# Altium PCB MB1166.PcbDoc (part 37 of 39)
Units mil, origin at the board's own origin, x right, y up, seen from the top; angles counter-clockwise.
Board outline 5000.99 x 2352.96 mil, 4 copper layers (TOP, L2_GND, L3_VCC, BOTTOM), stack 25.9 mil thick; 35 components, 24 nets, 166 pads, 143 vias.
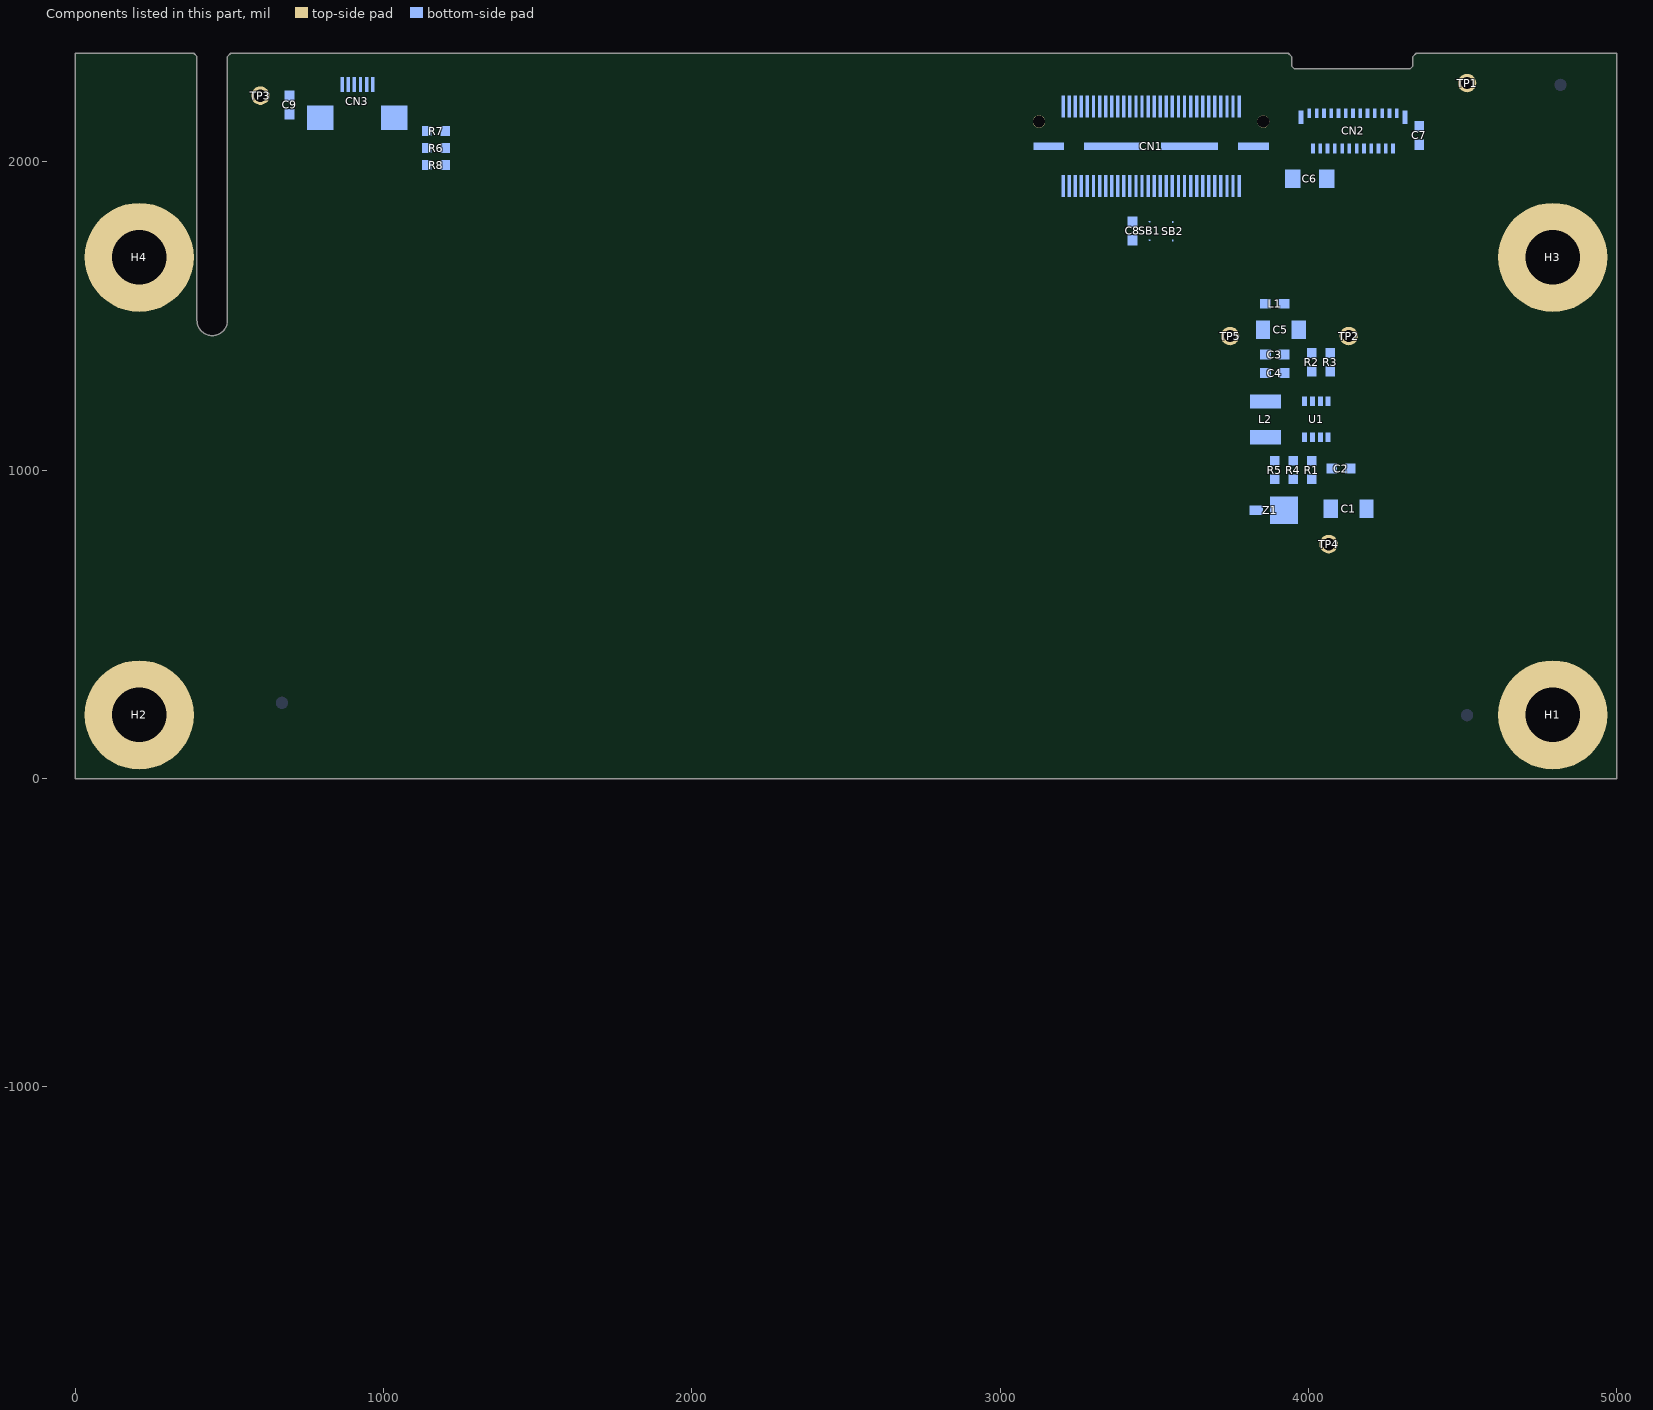
[diagram p39: the components of this part, seen from the top]

## Via types
v1: diameter 24, hole 12, TOP to BOTTOM, 143 vias

## Nets (pads, with @x,y where several pads share a name; then routed paths per layer and width w, separated by ;. In a path a pad name is that pad's centre, name@x,y a point inside that pad or via, vN(x,y) a via of type N, cw(c..) or ccw(c..) an arc to the next point about the centre after c; other vN are vias at no path point) (continued)
copper on no net: (continued)
  BOTTOM w3: 539.59,-1235.2 539.69,-1235.02 ; 539.59,-1235.2 539.69,-1235.02 ; 539.61,-1150.15 539.68,-1150.22 ; 539.61,-1150.15 539.68,-1150.22 ; 539.69,-1235.02 539.73,-1234.93 ; 539.69,-1235.02 539.73,-1234.93 ; 539.68,-1150.22 539.75,-1150.3 ; 539.68,-1150.22 539.75,-1150.3 ; 539.73,-1234.93 539.78,-1234.85 ; 539.73,-1234.93 539.78,-1234.85 ; 539.75,-1150.3 539.82,-1150.37 ; 539.75,-1150.3 539.82,-1150.37 ; 539.78,-1234.85 539.93,-1234.58 ; 539.78,-1234.85 539.93,-1234.58 ; 539.82,-1150.37 539.88,-1150.44 ; 539.82,-1150.37 539.88,-1150.44 ; 539.88,-1150.44 539.95,-1150.52 ; 539.88,-1150.44 539.95,-1150.52 ; 539.93,-1234.58 539.98,-1234.5 ; 539.93,-1234.58 539.98,-1234.5 ; 539.95,-1150.52 540.09,-1150.66 ; 539.95,-1150.52 540.09,-1150.66 ; 539.98,-1234.5 540.02,-1234.41 ; 539.98,-1234.5 540.02,-1234.41 ; 540.02,-1234.41 540.17,-1234.14 ; 540.02,-1234.41 540.17,-1234.14 ; 540.09,-1150.66 540.16,-1150.74 ; 540.09,-1150.66 540.16,-1150.74 ; 540.17,-1234.14 540.22,-1234.06 ; 540.17,-1234.14 540.22,-1234.06 ; 540.16,-1150.74 540.22,-1150.81 ; 540.16,-1150.74 540.22,-1150.81 ; 540.22,-1234.06 540.26,-1233.97 ; 540.22,-1234.06 540.26,-1233.97 ; 540.22,-1150.81 540.29,-1150.88 ; 540.22,-1150.81 540.29,-1150.88 ; 540.26,-1233.97 540.36,-1233.79 ; 540.26,-1233.97 540.36,-1233.79 ; 540.29,-1150.88 540.36,-1150.96 ; 540.29,-1150.88 540.36,-1150.96 ; 540.36,-1233.79 540.41,-1233.71 ; 540.36,-1233.79 540.41,-1233.71 ; 540.36,-1150.96 540.5,-1151.1 ; 540.36,-1150.96 540.5,-1151.1 ; 540.41,-1233.71 540.46,-1233.62 ; 540.41,-1233.71 540.46,-1233.62 ; 540.46,-1233.62 540.5,-1233.53 ; 540.46,-1233.62 540.5,-1233.53 ; 540.5,-1233.53 540.55,-1233.44 ; 540.5,-1233.53 540.55,-1233.44 ; 540.5,-1151.1 540.56,-1151.18 ; 540.5,-1151.1 540.56,-1151.18 ; 540.55,-1233.44 540.6,-1233.36 ; 540.55,-1233.44 540.6,-1233.36 ; 540.56,-1151.18 540.77,-1151.39 ; 540.56,-1151.18 540.77,-1151.39 ; 540.6,-1233.36 540.7,-1233.18 ; 540.6,-1233.36 540.7,-1233.18 ; 540.7,-1233.18 540.74,-1233.09 ; 540.7,-1233.18 540.74,-1233.09 ; 540.74,-1233.09 540.79,-1233 ; 540.74,-1233.09 540.79,-1233 ; 540.77,-1151.39 540.84,-1151.47 ; 540.77,-1151.39 540.84,-1151.47 ; 540.79,-1233 540.84,-1232.92 ; 540.79,-1233 540.84,-1232.92 ; 540.84,-1232.92 540.99,-1232.65 ; 540.84,-1232.92 540.99,-1232.65 ; 540.84,-1151.47 541.05,-1151.68 ; 540.84,-1151.47 541.05,-1151.68 ; 540.99,-1232.65 541.03,-1232.57 ; 540.99,-1232.65 541.03,-1232.57 ; 541.03,-1232.57 541.18,-1232.3 ; 541.03,-1232.57 541.18,-1232.3 ; 541.05,-1151.68 541.11,-1151.76 ; 541.05,-1151.68 541.11,-1151.76 ; 541.11,-1151.76 541.32,-1151.97 ; 541.11,-1151.76 541.32,-1151.97 ; 541.18,-1232.3 541.23,-1232.22 ; 541.18,-1232.3 541.23,-1232.22 ; 541.23,-1232.22 541.33,-1232.04 ; 541.23,-1232.22 541.33,-1232.04 ; 541.32,-1151.97 541.39,-1152.05 ; 541.32,-1151.97 541.39,-1152.05 ; 541.33,-1232.04 541.38,-1231.96 ; 541.33,-1232.04 541.38,-1231.96 ; 541.38,-1231.96 541.42,-1231.87 ; 541.38,-1231.96 541.42,-1231.87 ; 541.42,-1231.87 541.52,-1231.69 ; 541.42,-1231.87 541.52,-1231.69 ; 541.39,-1152.05 541.6,-1152.26 ; 541.39,-1152.05 541.6,-1152.26 ; 541.52,-1231.69 541.57,-1231.61 ; 541.52,-1231.69 541.57,-1231.61 ; 541.57,-1231.61 541.67,-1231.43 ; 541.57,-1231.61 541.67,-1231.43 ; 541.6,-1152.26 541.67,-1152.34 ; 541.6,-1152.26 541.67,-1152.34 ; 541.67,-1231.43 541.72,-1231.35 ; 541.67,-1231.43 541.72,-1231.35 ; 541.67,-1152.34 541.81,-1152.48 ; 541.67,-1152.34 541.81,-1152.48 ; 541.72,-1231.35 541.82,-1231.17 ; 541.72,-1231.35 541.82,-1231.17 ; 541.82,-1231.17 541.87,-1231.09 ; 541.82,-1231.17 541.87,-1231.09 ; 541.81,-1152.48 541.87,-1152.55 ; 541.81,-1152.48 541.87,-1152.55 ; 541.87,-1231.09 541.97,-1230.91 ; 541.87,-1231.09 541.97,-1230.91 ; 541.87,-1152.55 541.94,-1152.62 ; 541.87,-1152.55 541.94,-1152.62 ; 541.97,-1230.91 542.02,-1230.83 ; 541.97,-1230.91 542.02,-1230.83 ; 541.94,-1152.62 542.01,-1152.7 ; 541.94,-1152.62 542.01,-1152.7 ; 542.02,-1230.83 542.07,-1230.74 ; 542.02,-1230.83 542.07,-1230.74 ; 542.01,-1152.7 542.29,-1152.98 ; 542.01,-1152.7 542.29,-1152.98 ; 542.07,-1230.74 542.12,-1230.66 ; 542.07,-1230.74 542.12,-1230.66 ; 542.12,-1230.66 542.17,-1230.57 ; 542.12,-1230.66 542.17,-1230.57 ; 542.17,-1230.57 542.23,-1230.48 ; 542.17,-1230.57 542.23,-1230.48 ; 542.23,-1230.48 542.28,-1230.4 ; 542.23,-1230.48 542.28,-1230.4 ; 542.28,-1230.4 542.33,-1230.31 ; 542.28,-1230.4 542.33,-1230.31 ; 542.29,-1152.98 542.36,-1153.06 ; 542.29,-1152.98 542.36,-1153.06 ; 542.33,-1230.31 542.38,-1230.23 ; 542.33,-1230.31 542.38,-1230.23 ; 542.36,-1153.06 542.64,-1153.34 ; 542.36,-1153.06 542.64,-1153.34 ; 542.38,-1230.23 542.43,-1230.14 ; 542.38,-1230.23 542.43,-1230.14 ; 542.43,-1230.14 542.48,-1230.06 ; 542.43,-1230.14 542.48,-1230.06 ; 542.48,-1230.06 542.53,-1229.97 ; 542.48,-1230.06 542.53,-1229.97 ; 542.53,-1229.97 542.59,-1229.88 ; 542.53,-1229.97 542.59,-1229.88 ; 542.59,-1229.88 542.64,-1229.8 ; 542.59,-1229.88 542.64,-1229.8 ; 542.64,-1229.8 542.69,-1229.71 ; 542.64,-1229.8 542.69,-1229.71 ; 542.64,-1153.34 542.71,-1153.42 ; 542.64,-1153.34 542.71,-1153.42 ; 542.69,-1229.71 542.74,-1229.63 ; 542.69,-1229.71 542.74,-1229.63 ; 542.71,-1153.42 543.06,-1153.77 ; 542.71,-1153.42 543.06,-1153.77 ; 542.74,-1229.63 542.79,-1229.54 ; 542.74,-1229.63 542.79,-1229.54 ; 542.79,-1229.54 542.85,-1229.46 ; 542.79,-1229.54 542.85,-1229.46 ; 542.85,-1229.46 542.9,-1229.37 ; 542.85,-1229.46 542.9,-1229.37 ; 542.9,-1229.37 542.95,-1229.29 ; 542.9,-1229.37 542.95,-1229.29 ; 542.95,-1229.29 543,-1229.2 ; 542.95,-1229.29 543,-1229.2 ; 543,-1229.2 543.06,-1229.12 ; 543,-1229.2 543.06,-1229.12 ; 543.06,-1229.12 543.11,-1229.03 ; 543.06,-1229.12 543.11,-1229.03 ; 543.06,-1153.77 543.13,-1153.85 ; 543.06,-1153.77 543.13,-1153.85 ; 543.11,-1229.03 543.16,-1228.95 ; 543.11,-1229.03 543.16,-1228.95 ; 543.16,-1228.95 543.22,-1228.86 ; 543.16,-1228.95 543.22,-1228.86 ; 543.13,-1153.85 543.19,-1153.92 ; 543.13,-1153.85 543.19,-1153.92 ; 543.22,-1228.86 543.27,-1228.78 ; 543.22,-1228.86 543.27,-1228.78 ; 543.19,-1153.92 543.4,-1154.13 ; 543.19,-1153.92 543.4,-1154.13 ; 543.27,-1228.78 543.32,-1228.69 ; 543.27,-1228.78 543.32,-1228.69 ; 543.32,-1228.69 543.38,-1228.61 ; 543.32,-1228.69 543.38,-1228.61 ; 543.38,-1228.61 543.43,-1228.52 ; 543.38,-1228.61 543.43,-1228.52 ; 543.4,-1154.13 543.47,-1154.21 ; 543.4,-1154.13 543.47,-1154.21 ; 543.43,-1228.52 543.48,-1228.44 ; 543.43,-1228.52 543.48,-1228.44 ; 543.47,-1154.21 543.82,-1154.56 ; 543.47,-1154.21 543.82,-1154.56 ; 543.48,-1228.44 543.54,-1228.35 ; 543.48,-1228.44 543.54,-1228.35 ; 543.54,-1228.35 543.64,-1228.19 ; 543.54,-1228.35 543.64,-1228.19 ; 543.64,-1228.19 543.7,-1228.1 ; 543.64,-1228.19 543.7,-1228.1 ; 543.7,-1228.1 543.75,-1228.02 ; 543.7,-1228.1 543.75,-1228.02 ; 543.75,-1228.02 543.8,-1227.93 ; 543.75,-1228.02 543.8,-1227.93 ; 543.8,-1227.93 543.86,-1227.85 ; 543.8,-1227.93 543.86,-1227.85 ; 543.82,-1154.56 543.89,-1154.64 ; 543.82,-1154.56 543.89,-1154.64 ; 543.86,-1227.85 543.91,-1227.76 ; 543.86,-1227.85 543.91,-1227.76 ; 543.91,-1227.76 543.97,-1227.68 ; 543.91,-1227.76 543.97,-1227.68 ; 543.89,-1154.64 544.31,-1155.06 ; 543.89,-1154.64 544.31,-1155.06 ; 543.97,-1227.68 544.02,-1227.6 ; 543.97,-1227.68 544.02,-1227.6 ; 544.02,-1227.6 544.07,-1227.51 ; 544.02,-1227.6 544.07,-1227.51 ; 544.07,-1227.51 544.13,-1227.43 ; 544.07,-1227.51 544.13,-1227.43 ; 544.13,-1227.43 544.18,-1227.34 ; 544.13,-1227.43 544.18,-1227.34 ; 544.18,-1227.34 544.24,-1227.26 ; 544.18,-1227.34 544.24,-1227.26 ; 544.24,-1227.26 544.29,-1227.18 ; 544.24,-1227.26 544.29,-1227.18 ; 544.29,-1227.18 544.35,-1227.09 ; 544.29,-1227.18 544.35,-1227.09 ; 544.31,-1155.06 544.38,-1155.14 ; 544.31,-1155.06 544.38,-1155.14 ; 544.35,-1227.09 544.4,-1227.01 ; 544.35,-1227.09 544.4,-1227.01 ; 544.4,-1227.01 544.45,-1226.92 ; 544.4,-1227.01 544.45,-1226.92 ; 544.38,-1155.14 544.73,-1155.49 ; 544.38,-1155.14 544.73,-1155.49 ; 544.45,-1226.92 544.51,-1226.84 ; 544.45,-1226.92 544.51,-1226.84 ; 544.51,-1226.84 544.56,-1226.76 ; 544.51,-1226.84 544.56,-1226.76 ; 544.56,-1226.76 544.62,-1226.67 ; 544.56,-1226.76 544.62,-1226.67 ; 544.62,-1226.67 544.67,-1226.59 ; 544.62,-1226.67 544.67,-1226.59 ; 544.67,-1226.59 544.73,-1226.51 ; 544.67,-1226.59 544.73,-1226.51 ; 544.73,-1226.51 544.78,-1226.42 ; 544.73,-1226.51 544.78,-1226.42 ; 544.73,-1155.49 544.8,-1155.57 ; 544.73,-1155.49 544.8,-1155.57 ; 544.78,-1226.42 544.84,-1226.34 ; 544.78,-1226.42 544.84,-1226.34 ; 544.8,-1155.57 545.15,-1155.92 ; 544.8,-1155.57 545.15,-1155.92 ; 544.84,-1226.34 544.89,-1226.25 ; 544.84,-1226.34 544.89,-1226.25 ; 544.89,-1226.25 544.95,-1226.17 ; 544.89,-1226.25 544.95,-1226.17 ; 544.95,-1226.17 545,-1226.09 ; 544.95,-1226.17 545,-1226.09 ; 545,-1226.09 545.06,-1226 ; 545,-1226.09 545.06,-1226 ; 545.06,-1226 545.16,-1225.84 ; 545.06,-1226 545.16,-1225.84 ; 545.16,-1225.84 545.22,-1225.75 ; 545.16,-1225.84 545.22,-1225.75 ; 545.15,-1155.92 545.22,-1156 ; 545.15,-1155.92 545.22,-1156 ; 545.22,-1225.75 545.27,-1225.67 ; 545.22,-1225.75 545.27,-1225.67 ; 545.22,-1156 545.57,-1156.35 ; 545.22,-1156 545.57,-1156.35 ; 545.27,-1225.67 545.33,-1225.58 ; 545.27,-1225.67 545.33,-1225.58 ; 545.33,-1225.58 545.38,-1225.5 ; 545.33,-1225.58 545.38,-1225.5 ; 545.38,-1225.5 545.44,-1225.42 ; 545.38,-1225.5 545.44,-1225.42 ; 545.44,-1225.42 545.49,-1225.33 ; 545.44,-1225.42 545.49,-1225.33 ; 545.49,-1225.33 545.55,-1225.25 ; 545.49,-1225.33 545.55,-1225.25 ; 545.55,-1225.25 545.6,-1225.17 ; 545.55,-1225.25 545.6,-1225.17 ; 545.57,-1156.35 545.64,-1156.43 ; 545.57,-1156.35 545.64,-1156.43 ; 545.6,-1225.17 545.66,-1225.08 ; 545.6,-1225.17 545.66,-1225.08 ; 545.66,-1225.08 545.71,-1225 ; 545.66,-1225.08 545.71,-1225 ; 545.64,-1156.43 545.78,-1156.57 ; 545.64,-1156.43 545.78,-1156.57 ; 545.71,-1225 545.77,-1224.92 ; 545.71,-1225 545.77,-1224.92 ; 545.77,-1224.92 545.82,-1224.83 ; 545.77,-1224.92 545.82,-1224.83 ; 545.82,-1224.83 545.88,-1224.75 ; 545.82,-1224.83 545.88,-1224.75 ; 545.78,-1156.57 545.84,-1156.64 ; 545.78,-1156.57 545.84,-1156.64 ; 545.84,-1156.64 545.91,-1156.71 ; 545.84,-1156.64 545.91,-1156.71 ; 545.88,-1224.75 545.93,-1224.67 ; 545.88,-1224.75 545.93,-1224.67 ; 545.91,-1156.71 545.98,-1156.79 ; 545.91,-1156.71 545.98,-1156.79 ; 545.93,-1224.67 545.99,-1224.58 ; 545.93,-1224.67 545.99,-1224.58 ; 545.99,-1224.58 546.04,-1224.5 ; 545.99,-1224.58 546.04,-1224.5 ; 545.98,-1156.79 546.26,-1157.07 ; 545.98,-1156.79 546.26,-1157.07 ; 546.04,-1224.5 546.1,-1224.41 ; 546.04,-1224.5 546.1,-1224.41 ; 546.1,-1224.41 546.15,-1224.33 ; 546.1,-1224.41 546.15,-1224.33 ; 546.15,-1224.33 546.21,-1224.25 ; 546.15,-1224.33 546.21,-1224.25 ; 546.21,-1224.25 546.26,-1224.16 ; 546.21,-1224.25 546.26,-1224.16 ; 546.26,-1224.16 546.32,-1224.08 ; 546.26,-1224.16 546.32,-1224.08 ; 546.26,-1157.07 546.33,-1157.15 ; 546.26,-1157.07 546.33,-1157.15 ; 546.32,-1224.08 546.37,-1224 ; 546.32,-1224.08 546.37,-1224 ; 546.37,-1224 546.43,-1223.91 ; 546.37,-1224 546.43,-1223.91 ; 546.33,-1157.15 546.61,-1157.43 ; 546.33,-1157.15 546.61,-1157.43 ; 546.43,-1223.91 546.48,-1223.83 ; 546.43,-1223.91 546.48,-1223.83 ; 546.48,-1223.83 546.54,-1223.75 ; 546.48,-1223.83 546.54,-1223.75 ; 546.54,-1223.75 546.59,-1223.66 ; 546.54,-1223.75 546.59,-1223.66 ; 546.59,-1223.66 546.65,-1223.58 ; 546.59,-1223.66 546.65,-1223.58 ; 546.61,-1157.43 546.68,-1157.51 ; 546.61,-1157.43 546.68,-1157.51 ; 546.65,-1223.58 546.7,-1223.49 ; 546.65,-1223.58 546.7,-1223.49 ; 546.7,-1223.49 546.75,-1223.41 ; 546.7,-1223.49 546.75,-1223.41 ; 546.68,-1157.51 546.89,-1157.72 ; 546.68,-1157.51 546.89,-1157.72 ; 546.75,-1223.41 546.81,-1223.33 ; 546.75,-1223.41 546.81,-1223.33 ; 546.81,-1223.33 546.86,-1223.24 ; 546.81,-1223.33 546.86,-1223.24 ; 546.86,-1223.24 546.92,-1223.16 ; 546.86,-1223.24 546.92,-1223.16 ; 546.92,-1223.16 546.97,-1223.08 ; 546.92,-1223.16 546.97,-1223.08 ; 546.89,-1157.72 546.95,-1157.79 ; 546.89,-1157.72 546.95,-1157.79 ; 546.97,-1223.08 547.03,-1222.99 ; 546.97,-1223.08 547.03,-1222.99 ; 546.95,-1157.79 547.02,-1157.87 ; 546.95,-1157.79 547.02,-1157.87 ; 547.02,-1157.87 547.23,-1158.08 ; 547.02,-1157.87 547.23,-1158.08 ; 547.03,-1222.99 547.08,-1222.91 ; 547.03,-1222.99 547.08,-1222.91 ; 547.08,-1222.91 547.14,-1222.82 ; 547.08,-1222.91 547.14,-1222.82 ; 547.14,-1222.82 547.24,-1222.66 ; 547.14,-1222.82 547.24,-1222.66 ; 547.24,-1222.66 547.3,-1222.57 ; 547.24,-1222.66 547.3,-1222.57 ; 547.23,-1158.08 547.3,-1158.16 ; 547.23,-1158.08 547.3,-1158.16 ; 547.3,-1222.57 547.35,-1222.49 ; 547.3,-1222.57 547.35,-1222.49 ; 547.3,-1158.16 547.51,-1158.37 ; 547.3,-1158.16 547.51,-1158.37 ; 547.35,-1222.49 547.41,-1222.4 ; 547.35,-1222.49 547.41,-1222.4 ; 547.41,-1222.4 547.46,-1222.32 ; 547.41,-1222.4 547.46,-1222.32 ; 547.46,-1222.32 547.51,-1222.23 ; 547.46,-1222.32 547.51,-1222.23 ; 547.51,-1222.23 547.57,-1222.15 ; 547.51,-1222.23 547.57,-1222.15 ; 547.51,-1158.37 547.57,-1158.45 ; 547.51,-1158.37 547.57,-1158.45 ; 547.57,-1222.15 547.62,-1222.07 ; 547.57,-1222.15 547.62,-1222.07 ; 547.57,-1158.45 547.78,-1158.66 ; 547.57,-1158.45 547.78,-1158.66 ; 547.62,-1222.07 547.68,-1221.98 ; 547.62,-1222.07 547.68,-1221.98 ; 547.68,-1221.98 547.73,-1221.9 ; 547.68,-1221.98 547.73,-1221.9 ; 547.73,-1221.9 547.78,-1221.81 ; 547.73,-1221.9 547.78,-1221.81 ; 547.78,-1221.81 547.84,-1221.73 ; 547.78,-1221.81 547.84,-1221.73 ; 547.78,-1158.66 547.85,-1158.74 ; 547.78,-1158.66 547.85,-1158.74 ; 547.84,-1221.73 547.89,-1221.64 ; 547.84,-1221.73 547.89,-1221.64 ; 547.85,-1158.74 547.99,-1158.88 ; 547.85,-1158.74 547.99,-1158.88 ; 547.89,-1221.64 547.94,-1221.56 ; 547.89,-1221.64 547.94,-1221.56 ; 547.94,-1221.56 548,-1221.48 ; 547.94,-1221.56 548,-1221.48 ; 548,-1221.48 548.05,-1221.39 ; 548,-1221.48 548.05,-1221.39 ; 547.99,-1158.88 548.06,-1158.96 ; 547.99,-1158.88 548.06,-1158.96 ; 548.05,-1221.39 548.1,-1221.31 ; 548.05,-1221.39 548.1,-1221.31 ; 548.06,-1158.96 548.12,-1159.03 ; 548.06,-1158.96 548.12,-1159.03 ; 548.1,-1221.31 548.16,-1221.22 ; 548.1,-1221.31 548.16,-1221.22 ; 548.12,-1159.03 548.26,-1159.17 ; 548.12,-1159.03 548.26,-1159.17 ; 548.16,-1221.22 548.21,-1221.14 ; 548.16,-1221.22 548.21,-1221.14 ; 548.21,-1221.14 548.26,-1221.05 ; 548.21,-1221.14 548.26,-1221.05 ; 548.26,-1221.05 548.32,-1220.97 ; 548.26,-1221.05 548.32,-1220.97 ; 548.26,-1159.17 548.33,-1159.25 ; 548.26,-1159.17 548.33,-1159.25 ; 548.32,-1220.97 548.37,-1220.88 ; 548.32,-1220.97 548.37,-1220.88 ; 548.37,-1220.88 548.42,-1220.8 ; 548.37,-1220.88 548.42,-1220.8 ; 548.33,-1159.25 548.4,-1159.32 ; 548.33,-1159.25 548.4,-1159.32 ; 548.42,-1220.8 548.47,-1220.71 ; 548.42,-1220.8 548.47,-1220.71 ; 548.4,-1159.32 548.46,-1159.39 ; 548.4,-1159.32 548.46,-1159.39 ; 548.47,-1220.71 548.53,-1220.63 ; 548.47,-1220.71 548.53,-1220.63 ; 548.46,-1159.39 548.53,-1159.47 ; 548.46,-1159.39 548.53,-1159.47 ; 548.53,-1220.63 548.58,-1220.54 ; 548.53,-1220.63 548.58,-1220.54 ; 548.53,-1159.47 548.67,-1159.61 ; 548.53,-1159.47 548.67,-1159.61 ; 548.58,-1220.54 548.63,-1220.46 ; 548.58,-1220.54 548.63,-1220.46 ; 548.63,-1220.46 548.69,-1220.37 ; 548.63,-1220.46 548.69,-1220.37 ; 548.67,-1159.61 548.74,-1159.69 ; 548.67,-1159.61 548.74,-1159.69 ; 548.69,-1220.37 548.74,-1220.29 ; 548.69,-1220.37 548.74,-1220.29 ; 548.74,-1220.29 548.79,-1220.2 ; 548.74,-1220.29 548.79,-1220.2 ; 548.74,-1159.69 548.8,-1159.76 ; 548.74,-1159.69 548.8,-1159.76 ; 548.79,-1220.2 548.84,-1220.12 ; 548.79,-1220.2 548.84,-1220.12 ; 548.8,-1159.76 548.87,-1159.83 ; 548.8,-1159.76 548.87,-1159.83 ; 548.84,-1220.12 548.89,-1220.03 ; 548.84,-1220.12 548.89,-1220.03 ; 548.87,-1159.83 548.94,-1159.91 ; 548.87,-1159.83 548.94,-1159.91 ; 548.89,-1220.03 548.95,-1219.95 ; 548.89,-1220.03 548.95,-1219.95 ; 548.95,-1219.95 549,-1219.86 ; 548.95,-1219.95 549,-1219.86 ; 548.94,-1159.91 549.01,-1159.98 ; 548.94,-1159.91 549.01,-1159.98 ; 549,-1219.86 549.05,-1219.78 ; 549,-1219.86 549.05,-1219.78 ; 549.01,-1159.98 549.08,-1160.06 ; 549.01,-1159.98 549.08,-1160.06 ; 549.05,-1219.78 549.15,-1219.6 ; 549.05,-1219.78 549.15,-1219.6 ; 549.08,-1160.06 549.14,-1160.13 ; 549.08,-1160.06 549.14,-1160.13 ; 549.15,-1219.6 549.21,-1219.52 ; 549.15,-1219.6 549.21,-1219.52 ; 549.14,-1160.13 549.21,-1160.2 ; 549.14,-1160.13 549.21,-1160.2 ; 549.21,-1219.52 549.26,-1219.43 ; 549.21,-1219.52 549.26,-1219.43 ; 549.21,-1160.2 549.28,-1160.28 ; 549.21,-1160.2 549.28,-1160.28 ; 549.26,-1219.43 549.31,-1219.35 ; 549.26,-1219.43 549.31,-1219.35 ; 549.31,-1219.35 549.36,-1219.26 ; 549.31,-1219.35 549.36,-1219.26 ; 549.28,-1160.28 549.34,-1160.35 ; 549.28,-1160.28 549.34,-1160.35 ; 549.36,-1219.26 549.41,-1219.18 ; 549.36,-1219.26 549.41,-1219.18 ; 549.34,-1160.35 549.41,-1160.42 ; 549.34,-1160.35 549.41,-1160.42 ; 549.41,-1219.18 549.46,-1219.09 ; 549.41,-1219.18 549.46,-1219.09 ; 549.41,-1160.42 549.48,-1160.5 ; 549.41,-1160.42 549.48,-1160.5 ; 549.46,-1219.09 549.52,-1219 ; 549.46,-1219.09 549.52,-1219 ; 549.52,-1219 549.57,-1218.92 ; 549.52,-1219 549.57,-1218.92 ; 549.48,-1160.5 549.55,-1160.57 ; 549.48,-1160.5 549.55,-1160.57 ; 549.57,-1218.92 549.62,-1218.83 ; 549.57,-1218.92 549.62,-1218.83 ; 549.55,-1160.57 549.61,-1160.65 ; 549.55,-1160.57 549.61,-1160.65 ; 549.62,-1218.83 549.67,-1218.75 ; 549.62,-1218.83 549.67,-1218.75 ; 549.61,-1160.65 549.68,-1160.72 ; 549.61,-1160.65 549.68,-1160.72 ; 549.67,-1218.75 549.72,-1218.66 ; 549.67,-1218.75 549.72,-1218.66 ; 549.72,-1218.66 549.77,-1218.58 ; 549.72,-1218.66 549.77,-1218.58 ; 549.68,-1160.72 549.75,-1160.8 ; 549.68,-1160.72 549.75,-1160.8 ; 549.77,-1218.58 549.87,-1218.4 ; 549.77,-1218.58 549.87,-1218.4 ; 549.75,-1160.8 549.81,-1160.87 ; 549.75,-1160.8 549.81,-1160.87 ; 549.81,-1160.87 549.88,-1160.94 ; 549.81,-1160.87 549.88,-1160.94 ; 549.87,-1218.4 549.93,-1218.32 ; 549.87,-1218.4 549.93,-1218.32 ; 549.88,-1160.94 549.95,-1161.02 ; 549.88,-1160.94 549.95,-1161.02 ; 549.93,-1218.32 549.98,-1218.23 ; 549.93,-1218.32 549.98,-1218.23 ; 549.95,-1161.02 550.01,-1161.09 ; 549.95,-1161.02 550.01,-1161.09 ; 549.98,-1218.23 550.03,-1218.15 ; 549.98,-1218.23 550.03,-1218.15 ; 550.01,-1161.09 550.08,-1161.17 ; 550.01,-1161.09 550.08,-1161.17 ; 550.03,-1218.15 550.13,-1217.97 ; 550.03,-1218.15 550.13,-1217.97 ; 550.08,-1161.17 550.15,-1161.24 ; 550.08,-1161.17 550.15,-1161.24 ; 550.13,-1217.97 550.18,-1217.89 ; 550.13,-1217.97 550.18,-1217.89 ; 550.15,-1161.24 550.21,-1161.32 ; 550.15,-1161.24 550.21,-1161.32 ; 550.18,-1217.89 550.28,-1217.71 ; 550.18,-1217.89 550.28,-1217.71 ; 550.21,-1161.32 550.28,-1161.39 ; 550.21,-1161.32 550.28,-1161.39 ; 550.28,-1217.71 550.33,-1217.63 ; 550.28,-1217.71 550.33,-1217.63 ; 550.28,-1161.39 550.35,-1161.47 ; 550.28,-1161.39 550.35,-1161.47 ; 550.33,-1217.63 550.38,-1217.54 ; 550.33,-1217.63 550.38,-1217.54 ; 550.35,-1161.47 550.41,-1161.54 ; 550.35,-1161.47 550.41,-1161.54 ; 550.38,-1217.54 550.43,-1217.46 ; 550.38,-1217.54 550.43,-1217.46 ; 550.41,-1161.54 550.48,-1161.62 ; 550.41,-1161.54 550.48,-1161.62 ; 550.43,-1217.46 550.53,-1217.28 ; 550.43,-1217.46 550.53,-1217.28 ; 550.48,-1161.62 550.54,-1161.69 ; 550.48,-1161.62 550.54,-1161.69 ; 550.53,-1217.28 550.58,-1217.2 ; 550.53,-1217.28 550.58,-1217.2 ; 550.54,-1161.69 550.61,-1161.77 ; 550.54,-1161.69 550.61,-1161.77 ; 550.58,-1217.2 550.68,-1217.02 ; 550.58,-1217.2 550.68,-1217.02 ; 550.61,-1161.77 550.68,-1161.84 ; 550.61,-1161.77 550.68,-1161.84 ; 550.68,-1217.02 550.73,-1216.94 ; 550.68,-1217.02 550.73,-1216.94 ; 550.68,-1161.84 550.74,-1161.92 ; 550.68,-1161.84 550.74,-1161.92 ; 550.73,-1216.94 550.83,-1216.76 ; 550.73,-1216.94 550.83,-1216.76 ; 550.74,-1161.92 550.81,-1161.99 ; 550.74,-1161.92 550.81,-1161.99 ; 550.81,-1161.99 550.87,-1162.07 ; 550.81,-1161.99 550.87,-1162.07 ; 550.83,-1216.76 550.88,-1216.68 ; 550.83,-1216.76 550.88,-1216.68 ; 550.87,-1162.07 550.94,-1162.15 ; 550.87,-1162.07 550.94,-1162.15 ; 550.88,-1216.68 550.98,-1216.5 ; 550.88,-1216.68 550.98,-1216.5 ; 550.94,-1162.15 551,-1162.22 ; 550.94,-1162.15 551,-1162.22 ; 550.98,-1216.5 551.03,-1216.42 ; 550.98,-1216.5 551.03,-1216.42 ; 551,-1162.22 551.07,-1162.3 ; 551,-1162.22 551.07,-1162.3 ; 551.03,-1216.42 551.13,-1216.24 